# Altium PCB 智能马桶综合检测台_数据板V1.0.PcbDoc (part 6 of 8) (continued)
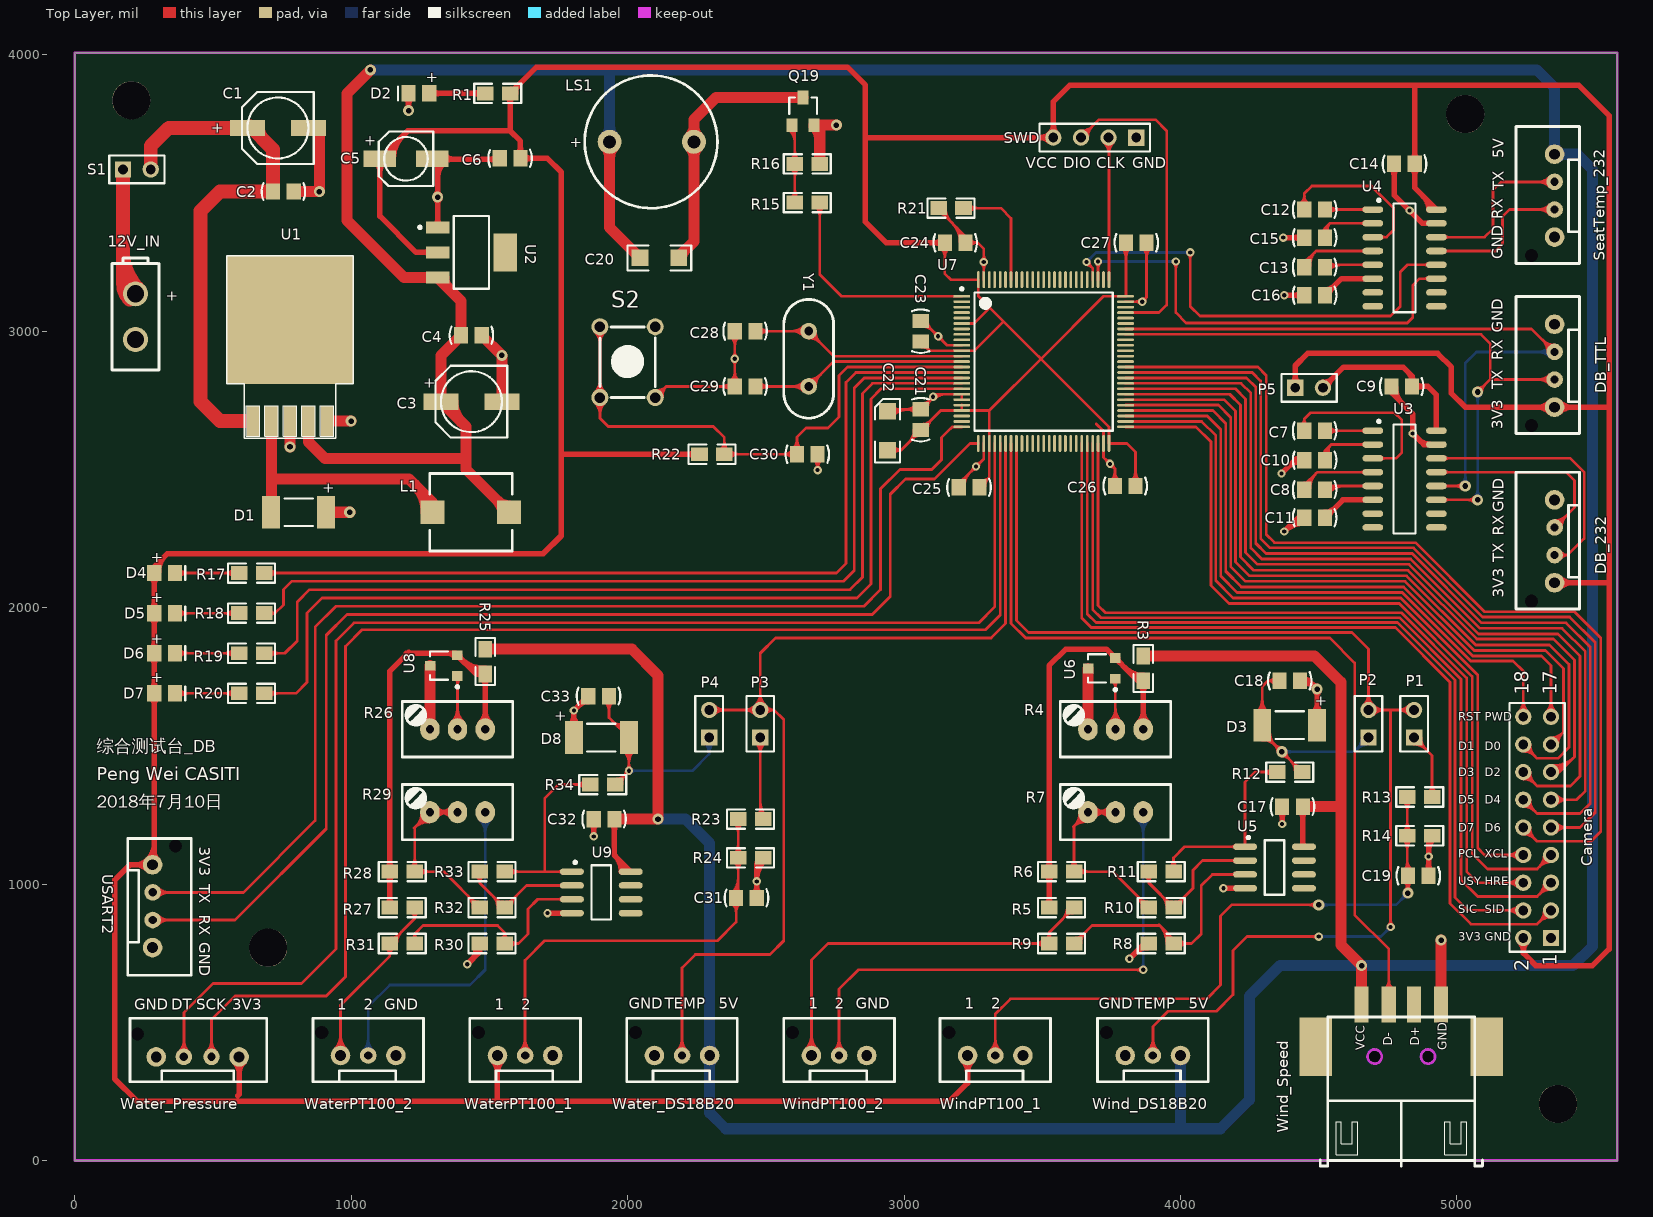
[diagram p0: Top Layer view]
## Nets (pads, with @x,y where several pads share a name; then routed paths per layer and width w, separated by ;. In a path a pad name is that pad's centre, name@x,y a point inside that pad or via, vN(x,y) a via of type N, cw(c..) or ccw(c..) an arc to the next point about the centre after c; other vN are vias at no path point) (continued)
PCLK: Camera.8 U7.52 | length 3651.7
  Top Layer w10: U7.52@3801.26,2673.46 4076.54,2673.46 4127.78,2622.22 4127.78,2097.22 4190,2035 4796.61,2035 5075,1756.61 5075,1130 5100,1105 Camera.8@5240,1105 ; 5180.79,1105 cw(c5180.79,1045.79) Camera.8@5222.66,1087.66 ; 5180.79,1105 ccw(c5180.79,1164.21) Camera.8@5222.66,1122.34 ; 5180.79,1105 ccw(c5180.79,1164.21) Camera.8@5222.66,1122.34 ; 5180.79,1105 cw(c5180.79,1045.79) Camera.8@5222.66,1087.66 ; 5180.79,1105 ccw(c5180.79,1164.21) Camera.8@5222.66,1122.34 ; 5180.79,1105 cw(c5180.79,1045.79) Camera.8@5222.66,1087.66 ; 5180.79,1105 ccw(c5180.79,1164.21) Camera.8@5222.66,1122.34 ; 5180.79,1105 cw(c5180.79,1045.79) Camera.8@5222.66,1087.66 ; 5180.79,1105 ccw(c5180.79,1164.21) Camera.8@5222.66,1122.34 ; 5180.79,1105 cw(c5180.79,1045.79) Camera.8@5222.66,1087.66 ; 5180.79,1105 ccw(c5180.79,1164.21) Camera.8@5222.66,1122.34 ; 5180.79,1105 cw(c5180.79,1045.79) Camera.8@5222.66,1087.66 ; 5204.93,1105 cw(c5204.93,1069.93) Camera.8@5229.73,1094.73 ; 5204.93,1105 ccw(c5204.93,1140.07) Camera.8@5229.73,1115.27 ; 5204.93,1105 ccw(c5204.93,1140.07) Camera.8@5229.73,1115.27 ; 5204.93,1105 cw(c5204.93,1069.93) Camera.8@5229.73,1094.73 ; 5204.93,1105 ccw(c5204.93,1140.07) Camera.8@5229.73,1115.27 ; 5204.93,1105 cw(c5204.93,1069.93) Camera.8@5229.73,1094.73 ; 5204.93,1105 ccw(c5204.93,1140.07) Camera.8@5229.73,1115.27 ; 5204.93,1105 cw(c5204.93,1069.93) Camera.8@5229.73,1094.73 ; 5204.93,1105 ccw(c5204.93,1140.07) Camera.8@5229.73,1115.27 ; 5204.93,1105 cw(c5204.93,1069.93) Camera.8@5229.73,1094.73 ; 5204.93,1105 ccw(c5204.93,1140.07) Camera.8@5229.73,1115.27 ; 5204.93,1105 cw(c5204.93,1069.93) Camera.8@5229.73,1094.73
PWDN: Camera.17 U7.54 | length 3308
  Top Layer w10: U7.54@3801.26,2712.83 4117.17,2712.83 4163.52,2666.48 4163.52,2131.48 4220,2075 4807.16,2075 5057.16,1825 5305,1825 5340,1790 Camera.17@5340,1605 ; Camera.17@5322.66,1622.34 ccw(c5280.79,1664.21) 5340,1664.21 ; Camera.17@5322.66,1622.34 ccw(c5280.79,1664.21) 5340,1664.21 ; Camera.17@5322.66,1622.34 ccw(c5280.79,1664.21) 5340,1664.21 ; Camera.17@5322.66,1622.34 ccw(c5280.79,1664.21) 5340,1664.21 ; Camera.17@5322.66,1622.34 ccw(c5280.79,1664.21) 5340,1664.21 ; Camera.17@5322.66,1622.34 ccw(c5280.79,1664.21) 5340,1664.21 ; Camera.17@5329.73,1615.27 ccw(c5304.93,1640.07) 5340,1640.07 ; Camera.17@5329.73,1615.27 ccw(c5304.93,1640.07) 5340,1640.07 ; Camera.17@5329.73,1615.27 ccw(c5304.93,1640.07) 5340,1640.07 ; Camera.17@5329.73,1615.27 ccw(c5304.93,1640.07) 5340,1640.07 ; Camera.17@5329.73,1615.27 ccw(c5304.93,1640.07) 5340,1640.07 ; Camera.17@5329.73,1615.27 ccw(c5304.93,1640.07) 5340,1640.07 ; 5340,1640.07 ccw(c5375.07,1640.07) Camera.17@5350.27,1615.27 ; 5340,1640.07 ccw(c5375.07,1640.07) Camera.17@5350.27,1615.27 ; 5340,1640.07 ccw(c5375.07,1640.07) Camera.17@5350.27,1615.27 ; 5340,1640.07 ccw(c5375.07,1640.07) Camera.17@5350.27,1615.27 ; 5340,1640.07 ccw(c5375.07,1640.07) Camera.17@5350.27,1615.27 ; 5340,1640.07 ccw(c5375.07,1640.07) Camera.17@5350.27,1615.27 ; 5340,1664.21 ccw(c5399.21,1664.21) Camera.17@5357.34,1622.34 ; 5340,1664.21 ccw(c5399.21,1664.21) Camera.17@5357.34,1622.34 ; 5340,1664.21 ccw(c5399.21,1664.21) Camera.17@5357.34,1622.34 ; 5340,1664.21 ccw(c5399.21,1664.21) Camera.17@5357.34,1622.34 ; 5340,1664.21 ccw(c5399.21,1664.21) Camera.17@5357.34,1622.34 ; 5340,1664.21 ccw(c5399.21,1664.21) Camera.17@5357.34,1622.34
RESET: Camera.18 U7.53 | length 3185.2
  Top Layer w10: U7.53@3801.26,2693.15 4096.85,2693.15 4145.65,2644.35 4145.65,2114.35 4205,2055 4801.89,2055 5049.76,1807.13 5202.87,1807.13 5240,1770 Camera.18@5240,1605 ; Camera.18@5222.66,1622.34 ccw(c5180.79,1664.21) 5240,1664.21 ; Camera.18@5222.66,1622.34 ccw(c5180.79,1664.21) 5240,1664.21 ; Camera.18@5222.66,1622.34 ccw(c5180.79,1664.21) 5240,1664.21 ; Camera.18@5222.66,1622.34 ccw(c5180.79,1664.21) 5240,1664.21 ; Camera.18@5222.66,1622.34 ccw(c5180.79,1664.21) 5240,1664.21 ; Camera.18@5222.66,1622.34 ccw(c5180.79,1664.21) 5240,1664.21 ; Camera.18@5229.73,1615.27 ccw(c5204.93,1640.07) 5240,1640.07 ; Camera.18@5229.73,1615.27 ccw(c5204.93,1640.07) 5240,1640.07 ; Camera.18@5229.73,1615.27 ccw(c5204.93,1640.07) 5240,1640.07 ; Camera.18@5229.73,1615.27 ccw(c5204.93,1640.07) 5240,1640.07 ; Camera.18@5229.73,1615.27 ccw(c5204.93,1640.07) 5240,1640.07 ; Camera.18@5229.73,1615.27 ccw(c5204.93,1640.07) 5240,1640.07 ; 5240,1640.07 ccw(c5275.07,1640.07) Camera.18@5250.27,1615.27 ; 5240,1640.07 ccw(c5275.07,1640.07) Camera.18@5250.27,1615.27 ; 5240,1640.07 ccw(c5275.07,1640.07) Camera.18@5250.27,1615.27 ; 5240,1640.07 ccw(c5275.07,1640.07) Camera.18@5250.27,1615.27 ; 5240,1640.07 ccw(c5275.07,1640.07) Camera.18@5250.27,1615.27 ; 5240,1640.07 ccw(c5275.07,1640.07) Camera.18@5250.27,1615.27 ; 5240,1664.21 ccw(c5299.21,1664.21) Camera.18@5257.34,1622.34 ; 5240,1664.21 ccw(c5299.21,1664.21) Camera.18@5257.34,1622.34 ; 5240,1664.21 ccw(c5299.21,1664.21) Camera.18@5257.34,1622.34 ; 5240,1664.21 ccw(c5299.21,1664.21) Camera.18@5257.34,1622.34 ; 5240,1664.21 ccw(c5299.21,1664.21) Camera.18@5257.34,1622.34 ; 5240,1664.21 ccw(c5299.21,1664.21) Camera.18@5257.34,1622.34
RXD2: U7.26 USART2.3 | length 5237.7
  Top Layer w10: USART2.3@282,870 580,870 910,1200 910,1900 985,1975 2885,1975 2950,2040 2950,2410 3005,2465 3110,2465 3238.74,2593.74 U7.26@3268.78,2593.74 ; USART2.3@292.61,859.39 cw(c318.21,833.79) 318.21,870 ; USART2.3@292.61,859.39 cw(c318.21,833.79) 318.21,870 ; USART2.3@292.61,859.39 cw(c318.21,833.79) 318.21,870 ; USART2.3@292.61,859.39 cw(c318.21,833.79) 318.21,870 ; USART2.3@292.61,859.39 cw(c318.21,833.79) 318.21,870 ; USART2.3@292.61,859.39 cw(c318.21,833.79) 318.21,870 ; USART2.3@292.61,880.61 ccw(c318.21,906.21) 318.21,870 ; USART2.3@292.61,880.61 ccw(c318.21,906.21) 318.21,870 ; USART2.3@292.61,880.61 ccw(c318.21,906.21) 318.21,870 ; USART2.3@292.61,880.61 ccw(c318.21,906.21) 318.21,870 ; USART2.3@292.61,880.61 ccw(c318.21,906.21) 318.21,870 ; USART2.3@292.61,880.61 ccw(c318.21,906.21) 318.21,870 ; USART2.3@299.68,852.32 cw(c342.36,809.64) 342.36,870 ; USART2.3@299.68,852.32 cw(c342.36,809.64) 342.36,870 ; USART2.3@299.68,852.32 cw(c342.36,809.64) 342.36,870 ; USART2.3@299.68,852.32 cw(c342.36,809.64) 342.36,870 ; USART2.3@299.68,852.32 cw(c342.36,809.64) 342.36,870 ; USART2.3@299.68,852.32 cw(c342.36,809.64) 342.36,870 ; USART2.3@299.68,887.68 ccw(c342.36,930.36) 342.36,870 ; USART2.3@299.68,887.68 ccw(c342.36,930.36) 342.36,870 ; USART2.3@299.68,887.68 ccw(c342.36,930.36) 342.36,870 ; USART2.3@299.68,887.68 ccw(c342.36,930.36) 342.36,870 ; USART2.3@299.68,887.68 ccw(c342.36,930.36) 342.36,870 ; USART2.3@299.68,887.68 ccw(c342.36,930.36) 342.36,870
SEATTEMP_232RX: SeatTemp_232.2 U4.13 | length 1613.2
  Top Layer w10: U4.13@4925.63,3290 5140,3290 5165,3315 5165,3415 5190,3440 SeatTemp_232.2@5353,3440 ; U4.13@4956.04,3285.18 cw(c4967.66,3273.56) 4967.66,3290 ; U4.13@4956.04,3285.18 cw(c4967.66,3273.56) 4967.66,3290 ; U4.13@4956.04,3285.18 cw(c4967.66,3273.56) 4967.66,3290 ; U4.13@4956.04,3285.18 cw(c4967.66,3273.56) 4967.66,3290 ; U4.13@4956.04,3285.18 cw(c4967.66,3273.56) 4967.66,3290 ; U4.13@4956.04,3285.18 cw(c4967.66,3273.56) 4967.66,3290 ; U4.13@4956.04,3294.82 ccw(c4967.66,3306.44) 4967.66,3290 ; U4.13@4956.04,3294.82 ccw(c4967.66,3306.44) 4967.66,3290 ; U4.13@4956.04,3294.82 ccw(c4967.66,3306.44) 4967.66,3290 ; U4.13@4956.04,3294.82 ccw(c4967.66,3306.44) 4967.66,3290 ; U4.13@4956.04,3294.82 ccw(c4967.66,3306.44) 4967.66,3290 ; U4.13@4956.04,3294.82 ccw(c4967.66,3306.44) 4967.66,3290 ; 5292.64,3440 cw(c5292.64,3379.64) SeatTemp_232.2@5335.32,3422.32 ; 5292.64,3440 ccw(c5292.64,3500.36) SeatTemp_232.2@5335.32,3457.68 ; 5292.64,3440 ccw(c5292.64,3500.36) SeatTemp_232.2@5335.32,3457.68 ; 5292.64,3440 cw(c5292.64,3379.64) SeatTemp_232.2@5335.32,3422.32 ; 5292.64,3440 ccw(c5292.64,3500.36) SeatTemp_232.2@5335.32,3457.68 ; 5292.64,3440 cw(c5292.64,3379.64) SeatTemp_232.2@5335.32,3422.32 ; 5292.64,3440 ccw(c5292.64,3500.36) SeatTemp_232.2@5335.32,3457.68 ; 5292.64,3440 cw(c5292.64,3379.64) SeatTemp_232.2@5335.32,3422.32 ; 5292.64,3440 ccw(c5292.64,3500.36) SeatTemp_232.2@5335.32,3457.68 ; 5292.64,3440 cw(c5292.64,3379.64) SeatTemp_232.2@5335.32,3422.32 ; 5292.64,3440 ccw(c5292.64,3500.36) SeatTemp_232.2@5335.32,3457.68 ; 5292.64,3440 cw(c5292.64,3379.64) SeatTemp_232.2@5335.32,3422.32 ; 5316.79,3440 cw(c5316.79,3403.79) SeatTemp_232.2@5342.39,3429.39 ; 5316.79,3440 ccw(c5316.79,3476.21) SeatTemp_232.2@5342.39,3450.61 ; 5316.79,3440 ccw(c5316.79,3476.21) SeatTemp_232.2@5342.39,3450.61 ; 5316.79,3440 cw(c5316.79,3403.79) SeatTemp_232.2@5342.39,3429.39 ; 5316.79,3440 ccw(c5316.79,3476.21) SeatTemp_232.2@5342.39,3450.61 ; 5316.79,3440 cw(c5316.79,3403.79) SeatTemp_232.2@5342.39,3429.39 ; 5316.79,3440 ccw(c5316.79,3476.21) SeatTemp_232.2@5342.39,3450.61 ; 5316.79,3440 cw(c5316.79,3403.79) SeatTemp_232.2@5342.39,3429.39 ; 5316.79,3440 ccw(c5316.79,3476.21) SeatTemp_232.2@5342.39,3450.61 ; 5316.79,3440 cw(c5316.79,3403.79) SeatTemp_232.2@5342.39,3429.39 ; 5316.79,3440 ccw(c5316.79,3476.21) SeatTemp_232.2@5342.39,3450.61 ; 5316.79,3440 cw(c5316.79,3403.79) SeatTemp_232.2@5342.39,3429.39
SEATTEMP_232TX: SeatTemp_232.3 U4.14 | length 1657.3
  Top Layer w10: U4.14@4925.63,3340 5100,3340 5130,3370 5130,3510 5160,3540 SeatTemp_232.3@5353,3540 ; U4.14@4956.04,3335.18 cw(c4967.66,3323.56) 4967.66,3340 ; U4.14@4956.04,3335.18 cw(c4967.66,3323.56) 4967.66,3340 ; U4.14@4956.04,3335.18 cw(c4967.66,3323.56) 4967.66,3340 ; U4.14@4956.04,3335.18 cw(c4967.66,3323.56) 4967.66,3340 ; U4.14@4956.04,3335.18 cw(c4967.66,3323.56) 4967.66,3340 ; U4.14@4956.04,3335.18 cw(c4967.66,3323.56) 4967.66,3340 ; U4.14@4956.04,3344.82 ccw(c4967.66,3356.44) 4967.66,3340 ; U4.14@4956.04,3344.82 ccw(c4967.66,3356.44) 4967.66,3340 ; U4.14@4956.04,3344.82 ccw(c4967.66,3356.44) 4967.66,3340 ; U4.14@4956.04,3344.82 ccw(c4967.66,3356.44) 4967.66,3340 ; U4.14@4956.04,3344.82 ccw(c4967.66,3356.44) 4967.66,3340 ; U4.14@4956.04,3344.82 ccw(c4967.66,3356.44) 4967.66,3340 ; 5292.64,3540 cw(c5292.64,3479.64) SeatTemp_232.3@5335.32,3522.32 ; 5292.64,3540 ccw(c5292.64,3600.36) SeatTemp_232.3@5335.32,3557.68 ; 5292.64,3540 ccw(c5292.64,3600.36) SeatTemp_232.3@5335.32,3557.68 ; 5292.64,3540 cw(c5292.64,3479.64) SeatTemp_232.3@5335.32,3522.32 ; 5292.64,3540 ccw(c5292.64,3600.36) SeatTemp_232.3@5335.32,3557.68 ; 5292.64,3540 cw(c5292.64,3479.64) SeatTemp_232.3@5335.32,3522.32 ; 5292.64,3540 ccw(c5292.64,3600.36) SeatTemp_232.3@5335.32,3557.68 ; 5292.64,3540 cw(c5292.64,3479.64) SeatTemp_232.3@5335.32,3522.32 ; 5292.64,3540 ccw(c5292.64,3600.36) SeatTemp_232.3@5335.32,3557.68 ; 5292.64,3540 cw(c5292.64,3479.64) SeatTemp_232.3@5335.32,3522.32 ; 5292.64,3540 ccw(c5292.64,3600.36) SeatTemp_232.3@5335.32,3557.68 ; 5292.64,3540 cw(c5292.64,3479.64) SeatTemp_232.3@5335.32,3522.32 ; 5316.79,3540 cw(c5316.79,3503.79) SeatTemp_232.3@5342.39,3529.39 ; 5316.79,3540 ccw(c5316.79,3576.21) SeatTemp_232.3@5342.39,3550.61 ; 5316.79,3540 ccw(c5316.79,3576.21) SeatTemp_232.3@5342.39,3550.61 ; 5316.79,3540 cw(c5316.79,3503.79) SeatTemp_232.3@5342.39,3529.39 ; 5316.79,3540 ccw(c5316.79,3576.21) SeatTemp_232.3@5342.39,3550.61 ; 5316.79,3540 cw(c5316.79,3503.79) SeatTemp_232.3@5342.39,3529.39 ; 5316.79,3540 ccw(c5316.79,3576.21) SeatTemp_232.3@5342.39,3550.61 ; 5316.79,3540 cw(c5316.79,3503.79) SeatTemp_232.3@5342.39,3529.39 ; 5316.79,3540 ccw(c5316.79,3576.21) SeatTemp_232.3@5342.39,3550.61 ; 5316.79,3540 cw(c5316.79,3503.79) SeatTemp_232.3@5342.39,3529.39 ; 5316.79,3540 ccw(c5316.79,3576.21) SeatTemp_232.3@5342.39,3550.61 ; 5316.79,3540 cw(c5316.79,3503.79) SeatTemp_232.3@5342.39,3529.39
SEATTEMP_RX: U4.12 U7.79 | length 2777.5
  Top Layer w10: v1(3660,3250) 3682.17,3227.83 U7.79@3682.17,3186.26 ; v1(4035,3285) 4035,3090 4070,3055 4760,3055 4795,3090 4795,3215 4820,3240 U4.12@4925.63,3240 ; v1@3660,3240 cw(c3660,3215.86) 3677.07,3232.93 ; v1@3660,3240 cw(c3660,3215.86) 3677.07,3232.93 ; v1@3660,3240 cw(c3660,3215.86) 3677.07,3232.93 ; v1@3660,3240 cw(c3660,3215.86) 3677.07,3232.93 ; v1@3660,3240 cw(c3660,3215.86) 3677.07,3232.93 ; v1@3660,3240 cw(c3660,3215.86) 3677.07,3232.93 ; v1@3670,3250 ccw(c3694.14,3250) 3677.07,3232.93 ; v1@3670,3250 ccw(c3694.14,3250) 3677.07,3232.93 ; v1@3670,3250 ccw(c3694.14,3250) 3677.07,3232.93 ; v1@3670,3250 ccw(c3694.14,3250) 3677.07,3232.93 ; v1@3670,3250 ccw(c3694.14,3250) 3677.07,3232.93 ; v1@3670,3250 ccw(c3694.14,3250) 3677.07,3232.93 ; v1@4027.93,3277.93 cw(c4010.86,3260.86) 4035,3260.86 ; v1@4027.93,3277.93 cw(c4010.86,3260.86) 4035,3260.86 ; v1@4027.93,3277.93 cw(c4010.86,3260.86) 4035,3260.86 ; v1@4027.93,3277.93 cw(c4010.86,3260.86) 4035,3260.86 ; v1@4027.93,3277.93 cw(c4010.86,3260.86) 4035,3260.86 ; v1@4027.93,3277.93 cw(c4010.86,3260.86) 4035,3260.86 ; 4035,3260.86 cw(c4059.14,3260.86) v1@4042.07,3277.93 ; 4035,3260.86 cw(c4059.14,3260.86) v1@4042.07,3277.93 ; 4035,3260.86 cw(c4059.14,3260.86) v1@4042.07,3277.93 ; 4035,3260.86 cw(c4059.14,3260.86) v1@4042.07,3277.93 ; 4035,3260.86 cw(c4059.14,3260.86) v1@4042.07,3277.93 ; 4035,3260.86 cw(c4059.14,3260.86) v1@4042.07,3277.93 ; 4883.6,3240 cw(c4883.6,3223.56) U4.12@4895.22,3235.18 ; 4883.6,3240 ccw(c4883.6,3256.44) U4.12@4895.22,3244.82 ; 4883.6,3240 ccw(c4883.6,3256.44) U4.12@4895.22,3244.82 ; 4883.6,3240 cw(c4883.6,3223.56) U4.12@4895.22,3235.18 ; 4883.6,3240 ccw(c4883.6,3256.44) U4.12@4895.22,3244.82 ; 4883.6,3240 cw(c4883.6,3223.56) U4.12@4895.22,3235.18 ; 4883.6,3240 ccw(c4883.6,3256.44) U4.12@4895.22,3244.82 ; 4883.6,3240 cw(c4883.6,3223.56) U4.12@4895.22,3235.18 ; 4883.6,3240 ccw(c4883.6,3256.44) U4.12@4895.22,3244.82 ; 4883.6,3240 cw(c4883.6,3223.56) U4.12@4895.22,3235.18 ; 4883.6,3240 ccw(c4883.6,3256.44) U4.12@4895.22,3244.82 ; 4883.6,3240 cw(c4883.6,3223.56) U4.12@4895.22,3235.18
  Bottom Layer w10: v1(3660,3250) 3695,3285 v1(4035,3285) ; v1@3660,3260 ccw(c3660,3284.14) 3677.07,3267.07 ; v1@3660,3260 ccw(c3660,3284.14) 3677.07,3267.07 ; v1@3660,3260 ccw(c3660,3284.14) 3677.07,3267.07 ; v1@3660,3260 ccw(c3660,3284.14) 3677.07,3267.07 ; v1@3660,3260 ccw(c3660,3284.14) 3677.07,3267.07 ; v1@3660,3260 ccw(c3660,3284.14) 3677.07,3267.07 ; v1@3670,3250 cw(c3694.14,3250) 3677.07,3267.07 ; v1@3670,3250 cw(c3694.14,3250) 3677.07,3267.07 ; v1@3670,3250 cw(c3694.14,3250) 3677.07,3267.07 ; v1@3670,3250 cw(c3694.14,3250) 3677.07,3267.07 ; v1@3670,3250 cw(c3694.14,3250) 3677.07,3267.07 ; v1@3670,3250 cw(c3694.14,3250) 3677.07,3267.07 ; 4010.86,3285 cw(c4010.86,3260.86) v1@4027.93,3277.93 ; 4010.86,3285 ccw(c4010.86,3309.14) v1@4027.93,3292.07 ; 4010.86,3285 ccw(c4010.86,3309.14) v1@4027.93,3292.07 ; 4010.86,3285 cw(c4010.86,3260.86) v1@4027.93,3277.93 ; 4010.86,3285 ccw(c4010.86,3309.14) v1@4027.93,3292.07 ; 4010.86,3285 cw(c4010.86,3260.86) v1@4027.93,3277.93 ; 4010.86,3285 ccw(c4010.86,3309.14) v1@4027.93,3292.07 ; 4010.86,3285 cw(c4010.86,3260.86) v1@4027.93,3277.93 ; 4010.86,3285 ccw(c4010.86,3309.14) v1@4027.93,3292.07 ; 4010.86,3285 cw(c4010.86,3260.86) v1@4027.93,3277.93 ; 4010.86,3285 ccw(c4010.86,3309.14) v1@4027.93,3292.07 ; 4010.86,3285 cw(c4010.86,3260.86) v1@4027.93,3277.93
SEATTEMP_TX: U4.11 U7.78 | length 2688.4
  Top Layer w10: U7.78@3701.85,3186.26 v1(3701.85,3251.85) ; v1(3983.15,3251.85) 3983.15,3066.85 4020,3030 4820,3030 4840,3050 4840,3165 4865,3190 U4.11@4925.63,3190 ; v1@3694.78,3244.78 cw(c3677.71,3227.71) 3701.85,3227.71 ; v1@3694.78,3244.78 cw(c3677.71,3227.71) 3701.85,3227.71 ; v1@3694.78,3244.78 cw(c3677.71,3227.71) 3701.85,3227.71 ; v1@3694.78,3244.78 cw(c3677.71,3227.71) 3701.85,3227.71 ; v1@3694.78,3244.78 cw(c3677.71,3227.71) 3701.85,3227.71 ; v1@3694.78,3244.78 cw(c3677.71,3227.71) 3701.85,3227.71 ; 3701.85,3227.71 cw(c3725.99,3227.71) v1@3708.92,3244.78 ; 3701.85,3227.71 cw(c3725.99,3227.71) v1@3708.92,3244.78 ; 3701.85,3227.71 cw(c3725.99,3227.71) v1@3708.92,3244.78 ; 3701.85,3227.71 cw(c3725.99,3227.71) v1@3708.92,3244.78 ; 3701.85,3227.71 cw(c3725.99,3227.71) v1@3708.92,3244.78 ; 3701.85,3227.71 cw(c3725.99,3227.71) v1@3708.92,3244.78 ; v1@3976.08,3244.78 cw(c3959.01,3227.71) 3983.15,3227.71 ; v1@3976.08,3244.78 cw(c3959.01,3227.71) 3983.15,3227.71 ; v1@3976.08,3244.78 cw(c3959.01,3227.71) 3983.15,3227.71 ; v1@3976.08,3244.78 cw(c3959.01,3227.71) 3983.15,3227.71 ; v1@3976.08,3244.78 cw(c3959.01,3227.71) 3983.15,3227.71 ; v1@3976.08,3244.78 cw(c3959.01,3227.71) 3983.15,3227.71 ; 3983.15,3227.71 cw(c4007.29,3227.71) v1@3990.22,3244.78 ; 3983.15,3227.71 cw(c4007.29,3227.71) v1@3990.22,3244.78 ; 3983.15,3227.71 cw(c4007.29,3227.71) v1@3990.22,3244.78 ; 3983.15,3227.71 cw(c4007.29,3227.71) v1@3990.22,3244.78 ; 3983.15,3227.71 cw(c4007.29,3227.71) v1@3990.22,3244.78 ; 3983.15,3227.71 cw(c4007.29,3227.71) v1@3990.22,3244.78 ; 4883.6,3190 cw(c4883.6,3173.56) U4.11@4895.22,3185.18 ; 4883.6,3190 ccw(c4883.6,3206.44) U4.11@4895.22,3194.82 ; 4883.6,3190 ccw(c4883.6,3206.44) U4.11@4895.22,3194.82 ; 4883.6,3190 cw(c4883.6,3173.56) U4.11@4895.22,3185.18 ; 4883.6,3190 ccw(c4883.6,3206.44) U4.11@4895.22,3194.82 ; 4883.6,3190 cw(c4883.6,3173.56) U4.11@4895.22,3185.18 ; 4883.6,3190 ccw(c4883.6,3206.44) U4.11@4895.22,3194.82 ; 4883.6,3190 cw(c4883.6,3173.56) U4.11@4895.22,3185.18 ; 4883.6,3190 ccw(c4883.6,3206.44) U4.11@4895.22,3194.82 ; 4883.6,3190 cw(c4883.6,3173.56) U4.11@4895.22,3185.18 ; 4883.6,3190 ccw(c4883.6,3206.44) U4.11@4895.22,3194.82 ; 4883.6,3190 cw(c4883.6,3173.56) U4.11@4895.22,3185.18
  Bottom Layer w10: v1(3701.85,3251.85) v1(3983.15,3251.85) ; v1@3708.92,3244.78 cw(c3725.99,3227.71) 3725.99,3251.85 ; v1@3708.92,3244.78 cw(c3725.99,3227.71) 3725.99,3251.85 ; v1@3708.92,3244.78 cw(c3725.99,3227.71) 3725.99,3251.85 ; v1@3708.92,3244.78 cw(c3725.99,3227.71) 3725.99,3251.85 ; v1@3708.92,3244.78 cw(c3725.99,3227.71) 3725.99,3251.85 ; v1@3708.92,3244.78 cw(c3725.99,3227.71) 3725.99,3251.85 ; v1@3708.92,3258.92 ccw(c3725.99,3275.99) 3725.99,3251.85 ; v1@3708.92,3258.92 ccw(c3725.99,3275.99) 3725.99,3251.85 ; v1@3708.92,3258.92 ccw(c3725.99,3275.99) 3725.99,3251.85 ; v1@3708.92,3258.92 ccw(c3725.99,3275.99) 3725.99,3251.85 ; v1@3708.92,3258.92 ccw(c3725.99,3275.99) 3725.99,3251.85 ; v1@3708.92,3258.92 ccw(c3725.99,3275.99) 3725.99,3251.85 ; 3959.01,3251.85 cw(c3959.01,3227.71) v1@3976.08,3244.78 ; 3959.01,3251.85 ccw(c3959.01,3275.99) v1@3976.08,3258.92 ; 3959.01,3251.85 ccw(c3959.01,3275.99) v1@3976.08,3258.92 ; 3959.01,3251.85 cw(c3959.01,3227.71) v1@3976.08,3244.78 ; 3959.01,3251.85 ccw(c3959.01,3275.99) v1@3976.08,3258.92 ; 3959.01,3251.85 cw(c3959.01,3227.71) v1@3976.08,3244.78 ; 3959.01,3251.85 ccw(c3959.01,3275.99) v1@3976.08,3258.92 ; 3959.01,3251.85 cw(c3959.01,3227.71) v1@3976.08,3244.78 ; 3959.01,3251.85 ccw(c3959.01,3275.99) v1@3976.08,3258.92 ; 3959.01,3251.85 cw(c3959.01,3227.71) v1@3976.08,3244.78 ; 3959.01,3251.85 ccw(c3959.01,3275.99) v1@3976.08,3258.92 ; 3959.01,3251.85 cw(c3959.01,3227.71) v1@3976.08,3244.78
SIOC: Camera.4 U7.46 | length 3986.8
  Top Layer w10: U7.46@3662.48,2593.74 3662.48,1977.52 3694.26,1945.74 4784.79,1945.74 4992.87,1737.66 4992.87,952.13 5040,905 Camera.4@5240,905 ; 5180.79,905 cw(c5180.79,845.79) Camera.4@5222.66,887.66 ; 5180.79,905 ccw(c5180.79,964.21) Camera.4@5222.66,922.34 ; 5180.79,905 ccw(c5180.79,964.21) Camera.4@5222.66,922.34 ; 5180.79,905 cw(c5180.79,845.79) Camera.4@5222.66,887.66 ; 5180.79,905 ccw(c5180.79,964.21) Camera.4@5222.66,922.34 ; 5180.79,905 cw(c5180.79,845.79) Camera.4@5222.66,887.66 ; 5180.79,905 ccw(c5180.79,964.21) Camera.4@5222.66,922.34 ; 5180.79,905 cw(c5180.79,845.79) Camera.4@5222.66,887.66 ; 5180.79,905 ccw(c5180.79,964.21) Camera.4@5222.66,922.34 ; 5180.79,905 cw(c5180.79,845.79) Camera.4@5222.66,887.66 ; 5180.79,905 ccw(c5180.79,964.21) Camera.4@5222.66,922.34 ; 5180.79,905 cw(c5180.79,845.79) Camera.4@5222.66,887.66 ; 5204.93,905 cw(c5204.93,869.93) Camera.4@5229.73,894.73 ; 5204.93,905 ccw(c5204.93,940.07) Camera.4@5229.73,915.27 ; 5204.93,905 ccw(c5204.93,940.07) Camera.4@5229.73,915.27 ; 5204.93,905 cw(c5204.93,869.93) Camera.4@5229.73,894.73 ; 5204.93,905 ccw(c5204.93,940.07) Camera.4@5229.73,915.27 ; 5204.93,905 cw(c5204.93,869.93) Camera.4@5229.73,894.73 ; 5204.93,905 ccw(c5204.93,940.07) Camera.4@5229.73,915.27 ; 5204.93,905 cw(c5204.93,869.93) Camera.4@5229.73,894.73 ; 5204.93,905 ccw(c5204.93,940.07) Camera.4@5229.73,915.27 ; 5204.93,905 cw(c5204.93,869.93) Camera.4@5229.73,894.73 ; 5204.93,905 ccw(c5204.93,940.07) Camera.4@5229.73,915.27 ; 5204.93,905 cw(c5204.93,869.93) Camera.4@5229.73,894.73
SIOD: Camera.3 U7.45 | length 4165.5
  Top Layer w10: U7.45@3642.8,2593.74 3642.8,1962.2 3677.13,1927.87 4777.38,1927.87 4975,1730.25 4975,930 5050,855 5290,855 Camera.3@5340,905 ; 5298.13,863.13 cw(c5340,821.26) Camera.3@5340,880.47 ; 5298.13,863.13 ccw(c5256.26,905) Camera.3@5315.47,905 ; 5298.13,863.13 ccw(c5256.26,905) Camera.3@5315.47,905 ; 5298.13,863.13 cw(c5340,821.26) Camera.3@5340,880.47 ; 5298.13,863.13 ccw(c5256.26,905) Camera.3@5315.47,905 ; 5298.13,863.13 cw(c5340,821.26) Camera.3@5340,880.47 ; 5298.13,863.13 ccw(c5256.26,905) Camera.3@5315.47,905 ; 5298.13,863.13 cw(c5340,821.26) Camera.3@5340,880.47 ; 5298.13,863.13 ccw(c5256.26,905) Camera.3@5315.47,905 ; 5298.13,863.13 cw(c5340,821.26) Camera.3@5340,880.47 ; 5298.13,863.13 ccw(c5256.26,905) Camera.3@5315.47,905 ; 5298.13,863.13 cw(c5340,821.26) Camera.3@5340,880.47 ; 5315.2,880.2 cw(c5340,855.4) Camera.3@5340,890.47 ; 5315.2,880.2 ccw(c5290.4,905) Camera.3@5325.47,905 ; 5315.2,880.2 ccw(c5290.4,905) Camera.3@5325.47,905 ; 5315.2,880.2 cw(c5340,855.4) Camera.3@5340,890.47 ; 5315.2,880.2 ccw(c5290.4,905) Camera.3@5325.47,905 ; 5315.2,880.2 cw(c5340,855.4) Camera.3@5340,890.47 ; 5315.2,880.2 ccw(c5290.4,905) Camera.3@5325.47,905 ; 5315.2,880.2 cw(c5340,855.4) Camera.3@5340,890.47 ; 5315.2,880.2 ccw(c5290.4,905) Camera.3@5325.47,905 ; 5315.2,880.2 cw(c5340,855.4) Camera.3@5340,890.47 ; 5315.2,880.2 ccw(c5290.4,905) Camera.3@5325.47,905 ; 5315.2,880.2 cw(c5340,855.4) Camera.3@5340,890.47
SWCLK: SWD.2 U7.76 | length 1401.2
  Top Layer w10: U7.76@3741.22,3186.26 SWD.2@3741.22,3698.78 ; SWD.2@3722.66,3682.66 cw(c3677.84,3637.84) 3741.22,3637.84 ; SWD.2@3722.66,3682.66 cw(c3677.84,3637.84) 3741.22,3637.84 ; SWD.2@3722.66,3682.66 cw(c3677.84,3637.84) 3741.22,3637.84 ; SWD.2@3722.66,3682.66 cw(c3677.84,3637.84) 3741.22,3637.84 ; SWD.2@3722.66,3682.66 cw(c3677.84,3637.84) 3741.22,3637.84 ; SWD.2@3722.66,3682.66 cw(c3677.84,3637.84) 3741.22,3637.84 ; SWD.2@3729.73,3689.73 cw(c3701.98,3661.98) 3741.22,3661.98 ; SWD.2@3729.73,3689.73 cw(c3701.98,3661.98) 3741.22,3661.98 ; SWD.2@3729.73,3689.73 cw(c3701.98,3661.98) 3741.22,3661.98 ; SWD.2@3729.73,3689.73 cw(c3701.98,3661.98) 3741.22,3661.98 ; SWD.2@3729.73,3689.73 cw(c3701.98,3661.98) 3741.22,3661.98 ; SWD.2@3729.73,3689.73 cw(c3701.98,3661.98) 3741.22,3661.98 ; 3741.22,3643.73 cw(c3796.27,3643.73) SWD.2@3757.34,3682.66 ; 3741.22,3643.73 cw(c3796.27,3643.73) SWD.2@3757.34,3682.66 ; 3741.22,3643.73 cw(c3796.27,3643.73) SWD.2@3757.34,3682.66 ; 3741.22,3643.73 cw(c3796.27,3643.73) SWD.2@3757.34,3682.66 ; 3741.22,3643.73 cw(c3796.27,3643.73) SWD.2@3757.34,3682.66 ; 3741.22,3643.73 cw(c3796.27,3643.73) SWD.2@3757.34,3682.66 ; 3741.22,3667.87 cw(c3772.13,3667.87) SWD.2@3750.27,3689.73 ; 3741.22,3667.87 cw(c3772.13,3667.87) SWD.2@3750.27,3689.73 ; 3741.22,3667.87 cw(c3772.13,3667.87) SWD.2@3750.27,3689.73 ; 3741.22,3667.87 cw(c3772.13,3667.87) SWD.2@3750.27,3689.73 ; 3741.22,3667.87 cw(c3772.13,3667.87) SWD.2@3750.27,3689.73 ; 3741.22,3667.87 cw(c3772.13,3667.87) SWD.2@3750.27,3689.73
SWDIO: SWD.3 U7.72 | length 2032.4
  Top Layer w10: SWD.3@3640,3700 3705,3765 3910,3765 3950,3725 3950,3095 3922.17,3067.17 U7.72@3801.26,3067.17 ; SWD.3@3640,3714.53 ccw(c3640,3749.6) 3664.8,3724.8 ; SWD.3@3640,3714.53 ccw(c3640,3749.6) 3664.8,3724.8 ; SWD.3@3640,3714.53 ccw(c3640,3749.6) 3664.8,3724.8 ; SWD.3@3640,3714.53 ccw(c3640,3749.6) 3664.8,3724.8 ; SWD.3@3640,3714.53 ccw(c3640,3749.6) 3664.8,3724.8 ; SWD.3@3640,3714.53 ccw(c3640,3749.6) 3664.8,3724.8 ; SWD.3@3640,3724.53 ccw(c3640,3783.74) 3681.87,3741.87 ; SWD.3@3640,3724.53 ccw(c3640,3783.74) 3681.87,3741.87 ; SWD.3@3640,3724.53 ccw(c3640,3783.74) 3681.87,3741.87 ; SWD.3@3640,3724.53 ccw(c3640,3783.74) 3681.87,3741.87 ; SWD.3@3640,3724.53 ccw(c3640,3783.74) 3681.87,3741.87 ; SWD.3@3640,3724.53 ccw(c3640,3783.74) 3681.87,3741.87 ; SWD.3@3654.53,3700 cw(c3689.6,3700) 3664.8,3724.8 ; SWD.3@3654.53,3700 cw(c3689.6,3700) 3664.8,3724.8 ; SWD.3@3654.53,3700 cw(c3689.6,3700) 3664.8,3724.8 ; SWD.3@3654.53,3700 cw(c3689.6,3700) 3664.8,3724.8 ; SWD.3@3654.53,3700 cw(c3689.6,3700) 3664.8,3724.8 ; SWD.3@3654.53,3700 cw(c3689.6,3700) 3664.8,3724.8 ; SWD.3@3664.53,3700 cw(c3723.74,3700) 3681.87,3741.87 ; SWD.3@3664.53,3700 cw(c3723.74,3700) 3681.87,3741.87 ; SWD.3@3664.53,3700 cw(c3723.74,3700) 3681.87,3741.87 ; SWD.3@3664.53,3700 cw(c3723.74,3700) 3681.87,3741.87 ; SWD.3@3664.53,3700 cw(c3723.74,3700) 3681.87,3741.87 ; SWD.3@3664.53,3700 cw(c3723.74,3700) 3681.87,3741.87